# Altium PCB SteeringWheelBoard.PcbDoc (continued)
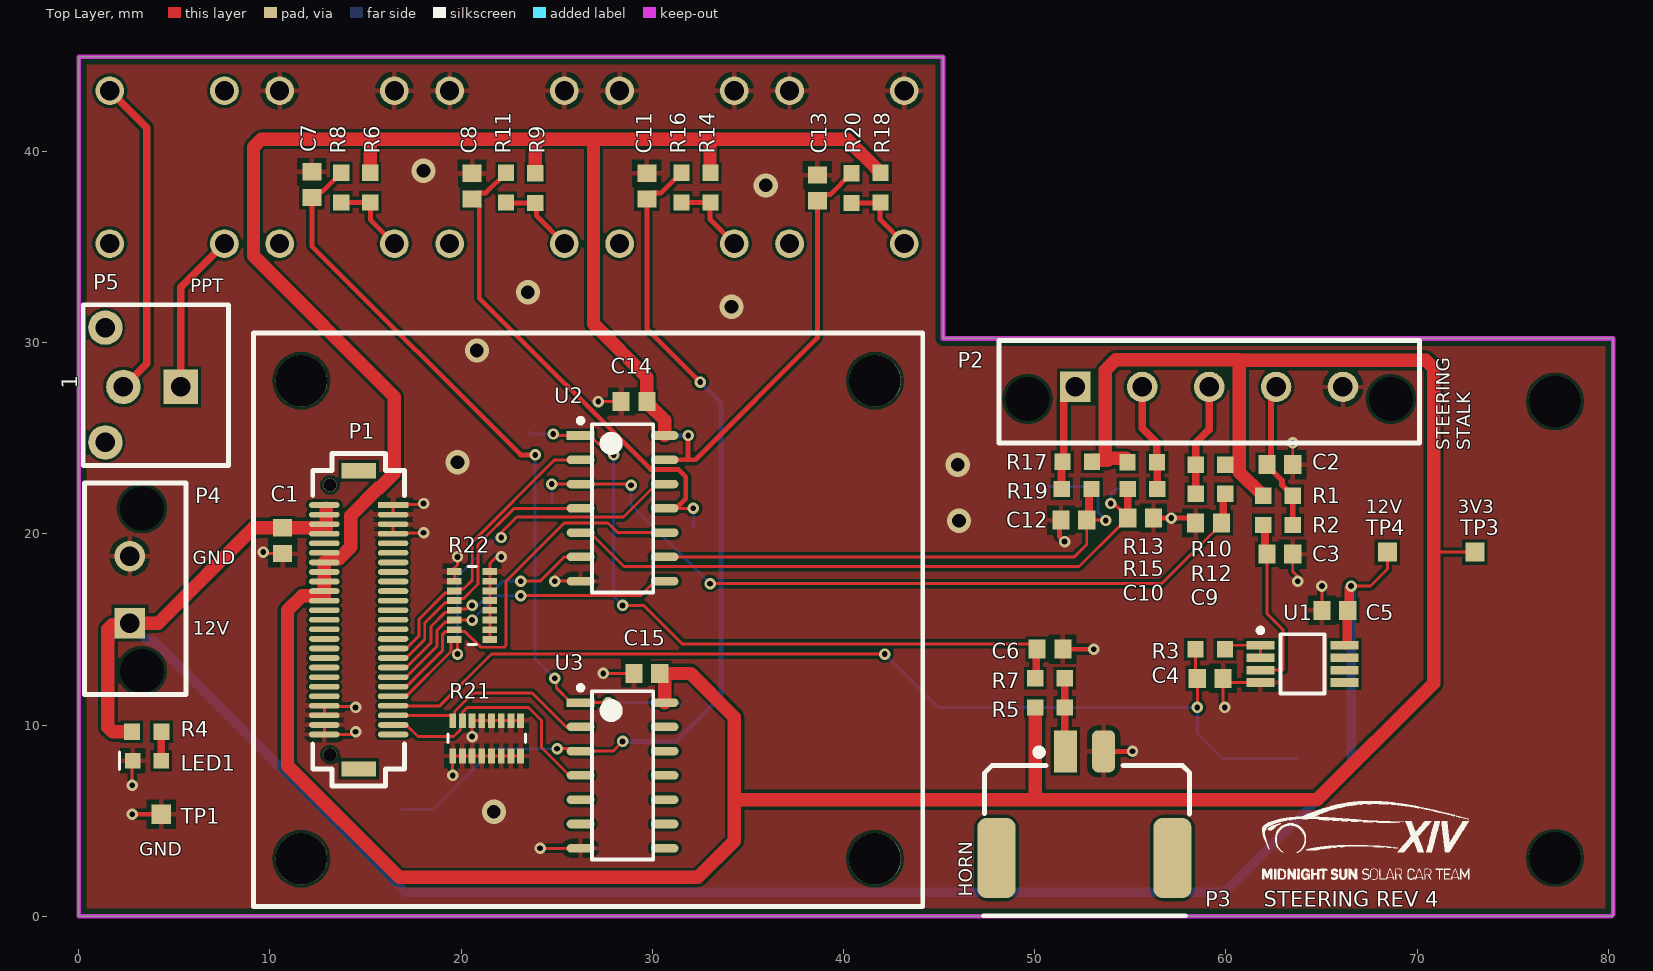
[diagram p0: Top Layer view]
## Part data (continued)
P4: "2 Positions Header, Shrouded Connector 0.138\" (3.50mm) Through Hole Gold", Current Rating=-, Insulation Color=Black, Manufacturer 1="Molex, LLC", Manufacturer Part Number 1=1722861302, Material Flammability Rating="UL94 V-0", Operating Temperature="-40°C ~ 120°C", Supplier Part Number 1=WM11673-ND, Voltage=400V, ComponentLink1Description=http://www.molex.com/pdm_docs/sd/1722861302_sd.pdf, ComponentLink1URL=http://www.molex.com/pdm_docs/sd/1722861302_sd.pdf, Connector Type=Header, Contact Finish - Mating=Gold, Contact Finish - Post=Tin, Contact Finish Thickness - Mating="30µin (0.76µm)", Contact Finish Thickness - Post="60µin (1.52µm)", Contact Length - Mating=-, Contact Length - Post="0.126\" (3.20mm)", Contact Material="Copper Alloy", Contact Shape=Square, Contact Type="Male Pin", Fastening Type="Latch Holder", Ingress Protection=-, Insulation Height="0.465\" (11.80mm)", Insulation Material="Liquid Crystal Polymer (LCP)", Mated Stacking Heights=26.99mm, Mounting Type="Through Hole", Number of Positions=2, Number of Positions Loaded=All, Number of Rows=1, Overall Contact Length=-, Packaging=Tray, Part Status=Active, Pitch - Mating="0.138\" (3.50mm)", Row Spacing - Mating=-, Series=UltraFit, Shrouding="Shrouded - 4 Wall", Style="Board to Board or Cable", Supplier 1=Digi-Key, Termination="Kinked Pin, Solder"
P5: "Connector Header Through Hole 2 position", Contact Resistance=10mR, Current Rating=5A, Housing Colour=Black, Manufacturer=Molex, Manufacturer Part Number=43045-0227, Max Operating Temperature=105°C, Max Voltage Rating (DC)=250.25kV, Min Operating Temperature=-40°C, Package Quantity=3168, Supplier Part Number 1=WM10657-ND, Voltage Rating=600V, ComponentLink1Description=http://www.onlinecomponents.com/productFiles/mf-MOL/307170430450227_pcb_headers.pdf, ComponentLink1URL=http://www.onlinecomponents.com/productFiles/mf-MOL/307170430450227_pcb_headers.pdf, ComponentLink2Description=http://www.mouser.com/ds/2/276/0430450227_PCB_HEADERS-142611.pdf, ComponentLink2URL=http://www.mouser.com/ds/2/276/0430450227_PCB_HEADERS-142611.pdf, ComponentLink3Description=http://uk.rs-online.com/webdocs/13c3/0900766b813c3a46.pdf, ComponentLink3URL=http://uk.rs-online.com/webdocs/13c3/0900766b813c3a46.pdf, ComponentLink4Description=http://www.molex.com/webdocs/datasheets/pdf/en-us/0430450227_PCB_HEADERS.pdf, ComponentLink4URL=http://www.molex.com/webdocs/datasheets/pdf/en-us/0430450227_PCB_HEADERS.pdf, Contact Material=Brass, Contact Plating=Tin, Depth=8.77mm, Gender=Male, Glow Wire Compliant=Compliant, Halogen Free="Low Halogen", Housing Material=Thermoplastic, Length=7.15mm, Mount="Through Hole", Number of Circuits=2, Number of Contacts=2, Number of Ports=1, Number of Positions=2, Number of Rows=2, Number of Terminals=2, Orientation=Vertical, Packaging=Tray, Pitch=3mm, Pricing 1="1=0.84, 10=0.74, 25=0.6968, 50=0.6676, 100=0.6387, 250=0.5806, 500=0.52254, 1000=0.46448, 2500=0.42094 (USD)", Radiation Hardening=No, Row Spacing=3mm, Stock 1=3657, Supplier 1=Digi-Key, Termination=Solder
R1: "1 kOhms ±0.1% 0.1W, 1/10W Chip Resistor 0603 (1608 Metric) Automotive AEC-Q200 Thin Film", Case/Package=0603, Case Code (Metric)=1608, Manufacturer=Panasonic, Manufacturer Part Number=ERA3AEB102V, Max Operating Temperature=155°C, Max Power Dissipation=100mW, Min Operating Temperature=-55°C, Package Quantity=5000, Power Rating=1/10W, Resistance=1k, Supplier Part Number 1=P1.0KDBCT-ND, Temperature Coefficient=25ppm/°C, Tolerance=0.1%, Voltage Rating=75V, Case Code (Imperial)=0603, ComponentLink1Description=Digikey, ComponentLink1URL=https://www.digikey.ca/product-detail/en/panasonic-electronic-components/ERA-3AEB102V/P1.0KDBCT-ND/1466052, ComponentLink2Description=http://www.farnell.com/datasheets/485442.pdf, ComponentLink2URL=http://www.farnell.com/datasheets/485442.pdf, ComponentLink3Description=http://industrial.panasonic.com/www-data/pdf/AOA0000/AOA0000CE26.pdf, ComponentLink3URL=http://industrial.panasonic.com/www-data/pdf/AOA0000/AOA0000CE26.pdf, ComponentLink4Description=http://www.farnell.com/datasheets/2052875.pdf, ComponentLink4URL=http://www.farnell.com/datasheets/2052875.pdf, ComponentLink5Description=http://www.farnell.com/datasheets/1776116.pdf, ComponentLink5URL=http://www.farnell.com/datasheets/1776116.pdf, ComponentLink6Description=http://uk.rs-online.com/webdocs/148c/0900766b8148c4ab.pdf, ComponentLink6URL=http://uk.rs-online.com/webdocs/148c/0900766b8148c4ab.pdf, ComponentLink7Description=http://www.farnell.com/datasheets/2059650.pdf, ComponentLink7URL=http://www.farnell.com/datasheets/2059650.pdf, ComponentLink8Description=http://www.produktinfo.conrad.com/datenblaetter/450000-474999/451250-da-01-en-WIDERSTAND_0603_ERA.pdf, ComponentLink8URL=http://www.produktinfo.conrad.com/datenblaetter/450000-474999/451250-da-01-en-WIDERSTAND_0603_ERA.pdf, ComponentLink9Description=http://uk.rs-online.com/webdocs/148c/0900766b8148c48a.pdf, ComponentLink9URL=http://uk.rs-online.com/webdocs/148c/0900766b8148c48a.pdf, ComponentLink10Description=https://industrial.panasonic.com/cdbs/www-data/pdf/RDM0000/AOA0000C307.pdf, ComponentLink10URL=https://industrial.panasonic.com/cdbs/www-data/pdf/RDM0000/AOA0000C307.pdf, ComponentLink11Description=http://www.alliedelec.com/m/d/b6b0537e86f421aa7f5975bb1d8f429a.pdf, ComponentLink11URL=http://www.alliedelec.com/m/d/b6b0537e86f421aa7f5975bb1d8f429a.pdf, ComponentLink12Description=http://www.produktinfo.conrad.com/datenblaetter/450000-474999/450752-da-01-en-WIDERSTAND_0603_ERA.pdf, ComponentLink12URL=http://www.produktinfo.conrad.com/datenblaetter/450000-474999/450752-da-01-en-WIDERSTAND_0603_ERA.pdf, Composition="Thin Film", Contact Plating=Tin, Depth=0.8mm, Height=0.45mm, Length=1.6mm, Military Standard=Not, Mount="Surface Mount", Number of Pins=2, Number of Terminations=2, Packaging="Tape and Reel", Pricing 1="1 = 0.35000, 10 = 0.30000, 100 = 0.11720, 1000 = 0.04906, 2500 = 0.04498 (USD)", Radiation Hardening=No, REACH SVHC="No SVHC", RoHS=Yes, Stock 1=1293788, Supplier 1=Digi-Key, Termination=SMD/SMT, Width=0.8mm
R2 R7 R8 R11 R12 R15 R16 R19 R20: "15 kOhms ±1% 0.1W, 1/10W Chip Resistor 0603 (1608 Metric) Moisture Resistant Thick Film", Case/Package=0603, Case Code (Metric)=1608, Manufacturer=Yageo, Manufacturer Part Number=RC0603FR-0715KL, Max Operating Temperature=155°C, Max Power Dissipation=1/10W, Min Operating Temperature=-55°C, Package Quantity=1, Power Rating=100mW, Resistance=15k, Supplier Part Number 1=311-15.0KHRCT-ND, Temperature Coefficient=100ppm/°C, Tolerance=1%, Voltage Rating=50V, Case Code (Imperial)=0603, ComponentLink1Description=Digikey, ComponentLink1URL=https://www.digikey.ca/product-detail/en/yageo/RC0603FR-0715KL/311-15.0KHRCT-ND/729900, ComponentLink2Description=http://www.yageo.com/documents/recent/PYu-RC_Group_51_RoHS_L_10.pdf, ComponentLink2URL=http://www.yageo.com/documents/recent/PYu-RC_Group_51_RoHS_L_10.pdf, ComponentLink3Description=http://www.yageo.com/documents/recent/PYu-RC_Group_51_RoHS_L_9.pdf, ComponentLink3URL=http://www.yageo.com/documents/recent/PYu-RC_Group_51_RoHS_L_9.pdf, ComponentLink4Description=https://www.verical.com/server-webapp/html/getDatasheet?partID=327895, ComponentLink4URL=https://www.verical.com/server-webapp/html/getDatasheet?partID=327895, Composition="Thick Film", Depth=0.8mm, Features="Moisture Resistant", Height=0.022inch, Lead Free="Lead Free", Length=1.6mm, Military Standard=Not, Number of Pins=2, Number of Terminations=2, Packaging="Tape and Reel", Pricing 1="1 = 0.10000, 10 = 0.02400, 100 = 0.00970, 1000 = 0.00437, 2500 = 0.00379 (USD)", REACH SVHC=Unknown, RoHS=Yes, Stock 1=8611420, Supplier 1=Digi-Key, Termination=SMD/SMT, Voltage Rating (DC)=50V, Width=0.031inch
R3: "100 Ohm ±1% 0.1W, 1/10W Chip Resistor 0603 (1608 Metric) Moisture Resistant Thick Film", Manufacturer 1=Yageo, Manufacturer Part Number 1=RC0603FR-07100RL, Operating Temperature="-55°C ~ 155°C", Package / Case="0603 (1608 Metric)", Power=1/10W, Resistance=100, Supplier Device Package=0603, Supplier Part Number 1=311-100HRCT-ND, Temperature Coefficient=±100ppm/°C, Tolerance=±1%, ComponentLink1Description=http://www.yageo.com/documents/recent/PYu-RC_Group_51_RoHS_L_7.pdf, ComponentLink1URL=http://www.yageo.com/documents/recent/PYu-RC_Group_51_RoHS_L_7.pdf, Composition="Thick Film", Failure Rate=-, Height - Seated (Max)="0.022\" (0.55mm)", Packaging="Cut Tape (CT)", Part Status=Active, Size / Dimension="0.063\" L x 0.031\" W (1.60mm x 0.80mm)", Supplier 1=Digi-Key
R4: "4.7k Ohm ±1% 0.1W, 1/10W Chip Resistor 0603 (1608 Metric) Moisture Resistant Thick Film", Manufacturer 1=Yageo, Manufacturer Part Number 1=RC0603FR-074K7L, Operating Temperature="-55°C ~ 155°C", Package / Case="0603 (1608 Metric)", Power (Watts)=1/10W, Resistance (Ohms)=4.7k, Supplier Device Package=0603, Supplier Part Number 1=311-4.70KHRCT-ND, Temperature Coefficient=±100ppm/°C, Tolerance=±1%, Category=Resistors, ComponentLink1Description=http://www.yageo.com/documents/recent/PYu-RC_Group_51_RoHS_L_7.pdf, ComponentLink1URL=http://www.yageo.com/documents/recent/PYu-RC_Group_51_RoHS_L_7.pdf, Composition="Thick Film", Description 1="RES SMD 4.7K OHM 1% 1/10W 0603", Failure Rate=-, Features="Moisture Resistant", Height - Seated (Max)="0.022\" (0.55mm)", Packaging="Cut Tape (CT)", Part Status=Active, Pricing 1="1=0.16, 10=0.022, 100=0.0089, 1000=0.00402, 2500=0.00349 (CAD)", RoHS="RoHS Compliant", Size / Dimension="0.063\" L x 0.031\" W (1.60mm x 0.80mm)", Stock 1=3487566, Supplier 1=Digi-Key
R5 R6 R9 R10 R13 R14 R17 R18: "RES SMD 10K OHM 1% 1/10W 0603", Manufacturer 1=Yageo, Manufacturer Part Number 1=RC0603FR-0710KL, Operating Temperature="-55°C ~ 155°C", Package / Case="0603 (1608 Metric)", Power=1/10W, Resistance=10k, Supplier Device Package=0603, Supplier Part Number 1=311-10.0KHRCT-ND, Temperature Coefficient=±100ppm/°C, Tolerance=±1%, ComponentLink1Description=http://www.yageo.com/documents/recent/PYu-RC_Group_51_RoHS_L_7.pdf, ComponentLink1URL=http://www.yageo.com/documents/recent/PYu-RC_Group_51_RoHS_L_7.pdf, Composition="Thick Film", Failure Rate=-, Height - Seated (Max)="0.022\" (0.55mm)", Packaging="Cut Tape (CT)", Part Status=Active, Size / Dimension="0.063\" L x 0.031\" W (1.60mm x 0.80mm)", Supplier 1=Digi-Key
R21 R22: library part "RES ARRAY 10K OHM 5% 8RES EXB-2HV103JV", "RES ARRAY SMD 10K 5% 62.5mW 1506", Manufacturer="Panasonic Electronic Components", Manufacturer_Part_Number=EXB-2HV103JV, Operating Temperature="-55°C ~ 125°C", Package / Case="1506, Convex, Long Side Terminals", Power Per Element=62.5mW, Resistance (Ohms)=10k, Supplier Device Package=1506, Supplier Part Number 1=Y1103CT-ND, Temperature Coefficient=±200ppm/°C, Tolerance=±5%, Applications="Automotive AEC-Q200", C="Copyright (C) 2015 Accelerated Designs. All rights reserved", Category=Resistors, Circuit Type=Isolated, ComponentLink1Description=https://industrial.panasonic.com/cdbs/www-data/pdf/AOC0000/AOC0000C14.pdf, ComponentLink1URL=https://industrial.panasonic.com/cdbs/www-data/pdf/AOC0000/AOC0000C14.pdf, Copyright="Copyright (C) 2015 Accelerated Designs. All rights reserved", Height - Seated (Max)="0.022\" (0.55mm)", Manufacturer Part Number=EXB-2HV103JV, Mounting Type="Surface Mount", Packaging="Cut Tape (CT)", Part Status=Active, Pricing 1="1=0.43, 10=0.373, 25=0.2712, 50=0.1964, 100=0.1456, 250=0.11176, 500=0.08806, 1000=0.06096 (CAD)", RoHS="RoHS Compliant", Size / Dimension="0.150\" L x 0.063\" W (3.80mm x 1.60mm)", Stock 1=152779, Supplier 1=Digi-Key, Vendor=Panasonic
S1 S2 S3 S4 S5: library part "SW PUSH SPST-NO 0.1A 14V", "Pushbutton Switch SPST-NO Standard Through Hole", Contact Current Rating=100mA, Manufacturer=Panasonic, Manufacturer Part Number=ESE20C321, Max Operating Temperature=80°C, Max Voltage Rating (DC)=14V, Min Operating Temperature=-30°C, Operating Force=4N, Package Quantity=1200, Supplier Part Number 1=P11161S-ND, Actuator Type="Square, Button", ComponentLink1Description=Digikey, ComponentLink1URL=https://www.digikey.ca/product-detail/en/panasonic-electronic-components/ESE-20C321/P11161S-ND/354749, ComponentLink2Description=https://datasheet.ciiva.com/46399/1790644-46399477.pdf?src-supplier=Element14, ComponentLink2URL=https://datasheet.ciiva.com/46399/1790644-46399477.pdf?src-supplier=Element14, ComponentLink3Description=https://datasheet.ciiva.com/16437/atu0000ce7-16437878.pdf?src-supplier=Future+Electronics, ComponentLink3URL=https://datasheet.ciiva.com/16437/atu0000ce7-16437878.pdf?src-supplier=Future+Electronics, ComponentLink4Description=https://datasheet.ciiva.com/8663/atu0000ce7-8663607.pdf?src-supplier=Avnet, ComponentLink4URL=https://datasheet.ciiva.com/8663/atu0000ce7-8663607.pdf?src-supplier=Avnet, ComponentLink5Description=https://datasheet.ciiva.com/2869/atu0000ce7-2869467.pdf?src-supplier=Digi-Key, ComponentLink5URL=https://datasheet.ciiva.com/2869/atu0000ce7-2869467.pdf?src-supplier=Digi-Key, Current Rating=100mA, Lead Free="Lead Free", Mount="Through Hole", Orientation=Straight, Packaging=Bulk, Pricing 1="1 = 1.17000, 10 = 1.09200, 25 = 1.04040, 50 = 0.98820, 100 = 0.96220, 250 = 0.93620, 500 = 0.88418, 1000 = 0.83216, 5000 = 0.70214 (USD)", Radiation Hardening=No, REACH SVHC="No SVHC", RoHS=Yes, Stock 1=1919, Supplier 1=Digi-Key, Switch Function=Off-Mom, Termination="PC Pin", Throw Configuration=SPST, Voltage Rating (DC)=14V
U1: "General Purpose Amplifier 2 Circuit Rail-to-Rail 8-VSSOP", Case/Package=VSSOP, Input Bias Current=5pA, Input Offset Voltage (Vos)=250uV, Manufacturer="Texas Instruments", Manufacturer Part Number=OPA2197IDGKR, Max Operating Temperature=125°C, Min Operating Temperature=-40°C, Operating Supply Current=1mA, Output Current per Channel=65mA, Supplier Part Number 1=296-47349-1-ND, ComponentLink1Description=http://www.ti.com/lit/ds/symlink/opa2197.pdf, ComponentLink1URL=http://www.ti.com/lit/ds/symlink/opa2197.pdf, Gain Bandwidth Product=10MHz, Lead Free="Lead Free", Mount="Surface Mount", Number of Channels=2, Number of Circuits=2, Packaging="Tape and Reel", Pricing 1="1=2.41, 10=2.162, 100=1.7376, 500=1.4276, 1000=1.1829 (USD)", Slew Rate=20V/µs, Stock 1=2171, Supplier 1=Digi-Key
U2 U3: library part "IC INVERTER SCHMITT 6CH 14TSSOP", "Inverter IC 6 Channel Schmitt Trigger 14-SOIC", Case/Package=SO, High Level Output Current=-5.2mA, Low Level Output Current=5.2mA, Manufacturer=STMicroelectronics, Manufacturer Part Number=M74HC14YRM13TR, Max Operating Temperature=125°C, Max Supply Voltage=6V, Min Operating Temperature=-40°C, Min Supply Voltage=2V, Package Quantity=2500, Quiescent Current=1uA, Supplier Part Number 1=497-14386-1-ND, ComponentLink1Description=Digikey, ComponentLink1URL=https://www.digikey.ca/product-detail/en/stmicroelectronics/M74HC14YTTR/497-14387-1-ND/4725844, ComponentLink2Description=http://www.st.com/content/ccc/resource/technical/document/datasheet/19/a3/52/42/dd/ab/4b/46/CD00000263.pdf/files/CD00000263.pdf/jcr:content/translations/en.CD00000263.pdf, ComponentLink2URL=http://www.st.com/content/ccc/resource/technical/document/datasheet/19/a3/52/42/dd/ab/4b/46/CD00000263.pdf/files/CD00000263.pdf/jcr:content/translations/en.CD00000263.pdf, ComponentLink3Description=http://www.st.com/st-web-ui/static/active/en/resource/technical/document/datasheet/CD00000263.pdf, ComponentLink3URL=http://www.st.com/st-web-ui/static/active/en/resource/technical/document/datasheet/CD00000263.pdf, ComponentLink4Description=http://www.st.com/content/ccc/resource/technical/document/datasheet/19/a3/52/42/dd/ab/4b/46/CD00000263.pdf/files/CD00000263.pdf/jcr:content/translations/en.CD00000263.pdf?src-supplier=Digi-Key, ComponentLink4URL=http://www.st.com/content/ccc/resource/technical/document/datasheet/19/a3/52/42/dd/ab/4b/46/CD00000263.pdf/files/CD00000263.pdf/jcr:content/translations/en.CD00000263.pdf?src-supplier=Digi-Key, ComponentLink5Description=http://www.st.com/st-web-ui/static/active/en/resource/technical/document/datasheet/CD00000263.pdf?src-supplier=Avnet, ComponentLink5URL=http://www.st.com/st-web-ui/static/active/en/resource/technical/document/datasheet/CD00000263.pdf?src-supplier=Avnet, Logic Function=Inverter, Mount="Surface Mount", Number of Circuits=6, Number of Elements=6, Number of Inputs=6, Number of Pins=14, Packaging="Tape and Reel", Pricing 1="1 = 0.48000, 10 = 0.41300, 100 = 0.30860, 500 = 0.24246, 1000 = 0.18736 (USD)", Propagation Delay=21ns, RoHS=Yes, Stock 1=28888, Supplier 1=Digi-Key, Turn-On Delay Time=190ns, Weight=0.009143oz

## Free pads (board coordinates)
  round 2.7 hole 2.7: ""(11.644,3.008) ""(11.644,28.008) ""(41.644,3.008) ""(41.644,28.008) ""(77.216,3.048) ""(77.216,26.924)

## Via types
v1: diameter 0.6, hole 0.3, Top Layer to Bottom Layer, tented both sides, 48 vias
v2: diameter 1.27, hole 0.711, Top Layer to Bottom Layer, tented both sides, 9 vias

## Nets (pads, with @x,y where several pads share a name; then routed paths per layer and width w, separated by ;. In a path a pad name is that pad's centre, name@x,y a point inside that pad or via, vN(x,y) a via of type N, cw(c..) or ccw(c..) an arc to the next point about the centre after c; other vN are vias at no path point)
3V3: C14.1 C15.1 P1.40 P1.41 P1.42 P1.43 P1.44 P1.45 R1.1 R5.1 R6.1 R9.1 R10.1 R13.1 R14.1 R17.1 R18.1 TP3.TP U2.14 U3.14 | length 229
  Top Layer w0.154: 70.866,19.05 TP3.TP
  Top Layer w0.7: R6.1 15.24,38.9 15.24,40.64 ; R9.1 23.876,40.386 24.13,40.64 ; U3.14 30.648,12.445 C15.1 30.648,12.7 32.004,12.7 34.29,10.414 34.29,6.096 34.29,5.842 ; U2.14 30.648,25.944 29.718,26.874 C14.1 29.718,28.194 26.924,30.988 26.924,40.64 ; R14.1 33.02,38.916 33.02,40.64 ; R18.1 41.341,39.485 41.341,39.495 40.926,39.91 40.916,39.91 40.186,40.64 33.02,40.64 ; R5.1 50.038,10.909 50.038,6.096 ; R17.1 53.079,23.843 53.702,23.843 53.821,23.843 53.929,23.951 ; R13.1@54.81,23.822 54.81,23.93 54.789,23.951 53.929,23.951 ; 60.706,29.083 70.456,29.083 70.866,28.673 70.866,19.05 70.866,12.192 64.77,6.096 50.038,6.096 ; R1.1 60.706,23.234 60.706,29.102 54.248,29.102 53.702,28.556 53.702,24.178 53.929,23.951 ; 15.24,40.64 23.876,40.64 24.13,40.64 ; 15.24,40.64 9.554,40.64 9.144,40.23 9.144,34.544 16.51,27.178 16.51,23.163 15.752,22.406 15.681,22.406 14.224,20.948 14.224,19.315 13.617,18.708 13.044,18.708 P1.44 P1.43 P1.42 P1.41 12.844,16.764 11.684,16.764 10.922,16.002 10.922,7.874 16.764,2.032 32.385,2.032 34.29,3.937 34.29,5.842 ; 24.13,40.64 26.924,40.64 ; 26.924,40.64 33.02,40.64 ; 34.29,5.842 34.544,6.096 50.038,6.096
+12V: C1.1 C5.1 P1.47 P1.48 P1.49 P1.50 P4.1 R4.1 TP4.TP U1.8 | length 109.4
  Top Layer w0.154: v1(66.548,17.272) 67.564,17.272 68.453,18.161 TP4.TP
  Top Layer w0.5: U1.8 66.356,14.323 66.356,15.895 66.463,16.002 66.463,17.187 v1(66.548,17.272)
  Top Layer w0.7: R4.1@2.794,9.627 2.78,9.641 1.769,9.641 1.524,9.886 1.524,15.006 1.758,15.24 2.576,15.24 P4.1 4.16,15.336 9.144,20.32 C1.1 12.954,20.32 12.954,21.336
  Bottom Layer w0.5: P4.1 3.62,14.388 3.945,14.388 17.078,1.256 59.93,1.256 66.548,7.874 v1(66.548,17.272)
CC_DISTANCE: 
CC_ON/O\F\F\: 
CC_SET: 
CC_SPEED: 
FILTERED_CC_DECREASE_SPEED: C11.1 R16.1 TP10.TP U3.3 | length 49.3
  Top Layer w0.154: v1(25.019,8.763) 25.029,8.773 26.035,8.773 26.172,8.636 U3.3 27.94,8.636 v1(28.448,9.144)
  Top Layer w0.254: R16.1 30.471,37.835 30.041,37.835 C11.1 29.718,30.734 v1(32.512,27.94)
  Bottom Layer w0.154: 16.891,5.588 18.529,5.588 21.704,8.763 v1(25.019,8.763)
  Bottom Layer w0.254: v1(28.448,9.144) 31.242,9.144 33.599,11.501 33.599,26.853 v1(32.512,27.94)
FILTERED_CC_INCREASE_SPEED: C7.1 R8.1 TP6.TP U3.1 | length 40.1
  Top Layer w0.154: v1(24.892,12.446) 24.977,12.361 24.977,11.947 25.748,11.176 U3.1 v1@27.432,11.176
  Top Layer w0.254: R8.1 12.755,37.915 12.515,37.915 C7.1 12.192,35.052 23.114,24.13 v1(23.876,24.13)
  Bottom Layer w0.154: v1(23.876,24.13) 23.876,13.462 v1(24.892,12.446) ; v1(27.686,11.176) 31.369,11.176 TP6.TP
FILTERED_CC_ON/O\F\F\: C8.1 R11.1 TP7.TP U2.11 | length 26.8
  Top Layer w0.154: U2.11 31.242,21.336 v1(32.148,21.336)
  Top Layer w0.254: R11.1 21.299,37.835 20.897,37.835 C8.1 20.624,37.512 20.947,37.189 20.947,32.336 29.911,23.372 31.357,23.372 31.75,22.979 31.75,21.844 U2.11@31.242,21.336
  Bottom Layer w0.154: TP7.TP v1(32.148,21.336)
FILTERED_HIGH_BEAM_BACK: C9.1 R12.1 TP8.TP U2.3 | length 41.6
  Top Layer w0.154: v1@24.892,22.606 U2.3 28.829,22.606 v1(28.892,22.543) ; v1(33.02,17.399) 56.645,17.399 59.77,20.524 C9.1
  Top Layer w0.4: C9.1 59.87,20.674 59.87,21.998 R12.1
  Bottom Layer w0.154: TP8.TP v1(24.748,22.606) ; v1(28.892,22.543) 28.892,21.527 v1(33.02,17.399)
FILTERED_HIGH_BEAM_FWD: C10.1 R15.1 TP9.TP U2.5 | length 34.9
  Top Layer w0.154: U2.5 26.748,20.066 28.526,18.288 52.324,18.288 54.441,20.405 54.491,20.405 54.864,20.778 C10.1 54.864,20.878 54.24,21.502 53.887,21.502 v1@53.848,21.463
  Top Layer w0.4: C10.1@54.864,20.878 R15.1
  Bottom Layer w0.154: v1(53.975,21.59) 53.998,21.613 53.998,22.121 54.229,22.352 54.864,22.352 TP9.TP
FILTERED_HORN: C6.1 R7.1 TP5.TP U2.1 | length 37
  Top Layer w0.154: v1@25.02,25.156 25.025,25.151 26.743,25.151 27.764,24.13 v1(27.979,24.13) ; v1(28.448,16.256) 29.554,16.256 31.565,14.245 49.85,14.245 C6.1
  Top Layer w0.4: R7.1 50.075,12.496 50.075,13.92 C6.1
  Bottom Layer w0.154: TP5.TP 23.671,25.224 v1(24.825,25.224) ; v1(27.979,24.13) 27.979,16.725 v1(28.448,16.256)
FILTERED_LANE_ASSIST: C12.1 R19.1 TP11.TP U2.9 | length 32.1
  Top Layer w0.154: U2.9 52.07,18.796 52.724,19.45 C12.1 53.702,20.72 v1(53.721,20.701)
  Top Layer w0.4: C12.1 52.838,20.834 52.838,22.237 R19.1@52.953,22.352
  Bottom Layer w0.154: TP11.TP 52.87,22.479 53.319,22.03 53.319,21.103 v1(53.721,20.701)
FILTERED_REGEN_BRAKE_TOGGLE: C13.1 R20.1 TP12.TP U2.13 | length 22.5
  Top Layer w0.254: U2.13 31.877,23.876 ; v1(31.877,25.146) 31.877,23.876 ; R20.1 39.3,37.748 38.959,37.748 C13.1 38.636,30.254 32.258,23.876 31.877,23.876
  Bottom Layer w0.254: TP12.TP v1(31.877,25.146)
GND: C1.2 C2.2 C3.2 C4.2 C5.2 C6.2 C7.2 C8.2 C9.2 C10.2 C11.2 C12.2 C13.2 C14.2 C15.2 LED1.2 P1.1 P1.2 P1.3 P1.4 P1.26 P1.27 P1.28 P1.29 P2.5 P3.2 P4.2 R21.1 R21.2 R21.3 R21.4 R21.5 R21.6 R21.7 R21.8 R21.9 R21.10 R21.11 R21.12 R21.13 R21.14 R22.1 R22.2 R22.3 R22.4 R22.5 R22.6 R22.7 R22.8 R22.9 R22.10 S2.1 S3.1 S4.1 S5.1 TP1.TP U1.4 U2.7 U3.7 | length 46.5
  Top Layer w0.154: v1(2.794,6.858) 2.794,8.104 LED1.2 ; v1(9.652,19.05) 9.732,18.97 C1.2 ; P1.27 P1.26 14.213,9.508 14.357,9.652 v1(14.478,9.652) ; P1.28 P1.29 12.872,10.98 14.42,10.98 v1(14.478,10.922) ; P1.3 P1.4 16.472,20.036 18.004,20.036 v1(18.034,20.066) ; P1.2 P1.1 16.485,21.549 17.993,21.549 v1(18.034,21.59) ; v1(19.558,7.366) R21.1 R21.2 R21.3 R21.4 R21.5 R21.6 R21.7 R21.8 ; R22.10 R22.9 19.558,18.123 19.812,18.377 v1(19.812,18.796) ; v1(20.574,9.398) R21.14 R21.13 R21.12 R21.11 R21.10 R21.9 ; R22.1 R22.2 R22.3 R22.4 R22.5 R22.6 R22.7 R22.8 21.501,18.453 21.844,18.796 v1(22.098,18.796) ; v1(24.13,3.556) U3.7 ; v1(24.892,17.526) U2.7 ; v1(27.178,26.924) C14.2 ; v1(27.432,12.7) C15.2@28.622,12.7 ; v1(59.944,10.922) 59.857,11.009 C4.2 60.078,12.225 U1.4 ; C3.2 63.5,18.034 63.754,17.78 v1(63.754,17.526) ; C2.2 v1(63.5,24.756) ; C5.2 v1(65.024,17.272)
  Top Layer w0.254: v1(2.794,5.334) TP1.TP@4.064,5.334 ; C12.2 51.293,20.802 51.293,19.865 v1(51.562,19.596) ; C6.2 v1(53.086,13.97) ; P3.2 53.6,8.622 54.932,8.622 v1@55.018,8.536 ; C10.2 v1(57.15,20.828) 58.166,20.828 C9.2
  other v1: 55.118,8.636
  other v2: 21.717,5.461 46.04,20.688 45.974,23.622 19.812,23.749 20.828,29.591 34.145,31.876 23.495,32.639 35.941,38.227 18.034,38.989
HIGH_BEAM_BACK: P2.3 R10.2 R12.2 | length 5.9
  Top Layer w0.4: R12.2 R10.2 58.42,24.756 59.126,25.462 P2.3
HIGH_BEAM_FWD: P2.2 R13.2 R15.2 | length 5.7
  Top Layer w0.4: P2.2 55.626,25.518 56.388,24.756 56.388,23.902 56.414,23.876 R15.2
HORN: P3.1 R5.2 R7.2 | length 3.8
  Top Layer w0.4: R7.2 R5.2 51.575,8.659 P3.1
LANE_ASSIST: P2.1 R17.2 R19.2 | length 5.6
  Top Layer w0.4: R19.2@51.403,22.352 51.403,23.717 R17.2 51.526,23.84 51.526,27.086 P2.1
NetC3_1: C3.1 R2.1 U1.3 | length 9.2
  Top Layer w0.154: U1.3 62.992,12.875 62.992,14.986 62.15,15.828 C3.1
  Top Layer w0.4: R2.1@62.05,20.466 62.05,19.042 C3.1
NetLED1_1: LED1.1 R4.2 | length 1.6
  Top Layer w0.4: LED1.1 4.318,9.639 R4.2 R4.2@4.356,9.677
NetP5_1: P5.1 S1.2 | length 8.4
  Top Layer w0.4: P5.1 5.334,32.894 S1.2@7.62,35.18
NetP5_2: P5.2 S1.1 | length 16.8
  Top Layer w0.4: S1.1@1.62,43.18 3.556,41.244 3.556,28.908 P5.2
NetR3_2: R3.2 U1.1 U1.2 | length 2.6
  Top Layer w0.154: R3.2 60.162,14.175 U1.1 U1.2
NetR6_2: R6.2 R8.2 S2.2 | length 4.2
  Top Layer w0.254: R8.2 R6.2 15.252,36.438 S2.2@16.51,35.18
NetR9_2: R9.2 R11.2 S3.2 | length 4.3
  Top Layer w0.254: R11.2 22.378,37.312 R9.2 23.943,37.245 23.943,36.637 S3.2@25.4,35.18
NetR14_2: R14.2 R16.2 S4.2 | length 4.2
  Top Layer w0.254: R16.2 R14.2 33.02,37.31 33.02,36.45 S4.2@34.29,35.18
NetR18_2: R18.2 R20.2 S5.2 | length 4.2
  Top Layer w0.254: R20.2 R18.2@41.912,37.312 ; R18.2 R18.2@41.912,37.312 ; S5.2@43.18,35.18 41.91,36.45 41.91,37.31 R18.2@41.912,37.312
PA0_AN0: P1.25
PA1_CC_DECREASE_SPEED: P1.24 R21.15 U3.4 | length 13.2
  Top Layer w0.154: P1.24 17.131,10.008 17.741,9.398 19.603,9.398 19.965,9.76 19.965,10.135 R21.15 20.066,10.668 20.32,10.922 23.532,10.922 24.21,10.244 24.21,8.823 25.667,7.366 U3.4@25.994,7.366
PA2_CC_INCREASE_SPEED: P1.23 R21.16 U3.2 | length 11.3
  Top Layer w0.154: P1.23 19.457,10.508 19.558,10.407 R21.16 19.659,10.337 19.659,10.712 20.631,11.684 23.716,11.684 25.494,9.906 U3.2@25.994,9.906
PA3_AN3_TURN_SIGNAL_STALK: C4.1 P1.22 R3.1 TP2.TP | length 54.6
  Top Layer w0.154: P1.22 18.882,11.008 21.59,13.716 v1(42.164,13.716) ; R3.1 58.407,12.546 C4.1 v1(58.507,10.922)
  Bottom Layer w0.154: v1(42.164,13.716) 44.958,10.922 v1(58.507,10.922) 58.507,9.565 59.817,8.255 63.754,8.255
PA4_REGEN_BRAKE_TOGGLE: P1.21 R22.16 U2.12 | length 22.3
  Top Layer w0.154: P1.21 17.131,11.508 19.477,13.855 19.477,14.478 R22.16 19.711,14.478 19.812,14.377 v1(19.812,13.716) ; v1(22.098,19.812) 22.098,20.066 22.912,20.88 28.5,20.88 U2.12@30.226,22.606
  Bottom Layer w0.154: v1(19.812,13.716) 19.812,17.767 21.857,19.812 v1(22.098,19.812)
PA5_CC_ON/O\F\F\: P1.20 R22.15 U2.10 | length 21.2
  Top Layer w0.154: P1.20 17.131,12.008 19.036,13.914 19.036,14.751 19.171,14.885 19.546,14.885 R22.15 19.748,14.885 20.211,14.885 21.025,14.071 22.262,14.071 22.352,14.161 22.352,17.526 25.4,20.574 27.686,20.574 28.194,20.066 U2.10
PA6_LANE_ASSIST: P1.19 R22.14 U2.8 | length 16.8
  Top Layer w0.154: P1.19 17.131,12.508 18.73,14.108 18.73,14.952 19.171,15.393 19.546,15.393 R22.14 v1(20.574,15.494) ; v1(23.114,16.764) 23.135,16.785 29.407,16.785 30.148,17.526 U2.8
  Bottom Layer w0.154: v1(20.574,15.494) 21.844,16.764 v1(23.114,16.764)
PA7_HIGH_BEAM_FWD: P1.18 R22.13 U2.6 | length 12.7
  Top Layer w0.154: P1.18 17.131,13.008 18.424,14.301 18.424,15.154 19.171,15.901 19.546,15.901 R22.13 19.706,16.062 20.259,16.062 20.453,16.256 v1(20.574,16.256) ; v1(23.114,17.526) 24.13,17.526 25.4,18.796 U2.6
  Bottom Layer w0.154: v1(20.574,16.256) 20.903,16.256 22.173,17.526 v1(23.114,17.526)
PA8: P1.7
PA9: P1.6
PA10: P1.5
PA15/LED_RED: P1.39
PB0_HIGH_BEAM_BACK: P1.17 R22.12 U2.4 | length 14.8
  Top Layer w0.154: P1.17 17.131,13.508 18.098,14.476 18.098,15.337 19.171,16.409 19.546,16.409 R22.12 19.748,16.611 20.123,16.611 20.891,17.379 20.891,19.441 22.785,21.336 U2.4
PB1_HORN: P1.16 R22.11 U2.2 | length 15.6
  Top Layer w0.154: P1.16 17.131,14.008 17.792,14.669 17.792,15.538 19.171,16.917 19.546,16.917 R22.11 19.748,17.119 20.123,17.119 20.584,17.58 20.584,19.568 24.892,23.876 U2.2
PB2: P1.15
PB3/LED_GREEN: P1.38
PB4/LED_BLUE: P1.37
PB5/LED_BLUE: P1.36
PB6/USART1_TX: P1.34
PB7/USART1_RX: P1.33
PB8/I2C1_SCL: P1.32
PB9/I2C1_SDA: P1.31
PB10/USART3_TX/I2C2_SCL: P1.14
PB11/USART3_RX/I2C2_SDA: P1.13
PB12/SPI2_NSS: P1.11
PB13/SPI2_SCK: P1.10
PB14/SPI2_MISO: P1.9
PB15/SPI2_MOSI: P1.8
PC13: P1.30
TURN_SIGNAL_STALK: C2.1 P2.4 R1.2 R2.2 | length 8
  Top Layer w0.3: P2.4 62.626,27.334 62.357,27.065 62.357,23.829 C2.1 62.15,23.572 62.934,22.788 62.934,22.556 R1.2 R2.2
pads on no net: P1. P1.12 P1.35 P1.46 P2. P3.3 P4. P5.0 U1.5 U1.6 U1.7 U3.5 U3.6 U3.8 U3.9 U3.10 U3.11 U3.12 U3.13

## Polygon pours and split planes (outlines as drawn)
no net on Bottom Overlay (solid): 0,44.958
no net on Bottom Overlay (solid): 76.962,21.336
GND on Top Layer "Top Layer-GND" (solid, pour order 2): 0,0 80.264,0 80.264,30.226 45.212,30.226 45.212,44.958 0,44.958
GND on Bottom Layer "Bottom Layer-GND" (solid, pour order 0): 0,0 80.264,0 80.264,30.226 45.212,30.226 45.212,44.958 0,44.958

## Keep-outs
Keep-Out Layer:
  lines w0.254: 0,0 80.168,0 80.264,0.096 80.264,30.226 45.212,30.226 45.212,44.958 0,44.958 0,0

## Silkscreen, mask and mechanical layers (free items; w line width, h text height)
Top Overlay:
  drawing of 36 lines, arcs and shapes, not listed
  text "PPT" at 5.842,32.639 h0.7
  text "STEERING / STALK" at 72.771,24.384 h0.7 r90
  text "12V" at 67.31,21.082 h0.7
  text "3V3" at 72.136,21.082 h0.7
  text "GND" at 5.969,18.415 h0.7
  text "12V" at 5.969,14.732 h0.7
  text "GND" at 3.175,3.175 h0.7
  text "HORN" at 46.736,1.016 h0.7 r90
  text "STEERING REV 4" at 61.976,0.508 h0.8
Bottom Overlay:
  drawing of 479 lines, arcs and shapes, not listed
  text "PPT" at 6.35,33.147 h0.7
  text "CC INCR" at 15.367,33.147 h0.7
  text "CC DECR" at 33.147,33.147 h0.7
  text "REGEN" at 42.037,33.147 h0.7
  text "CC ON/OFF" at 24.13,32.004 h0.7
  text "HORN" at 24.384,27.432 h0.7
  text "REGEN" at 31.75,27.051 h0.7
  text "LANE" at 50.038,24.638 h0.7
  text "HIGHBF" at 55.753,24.511 h0.7
  text "HIGHBB" at 23.876,22.225 h0.7
  text "CC ON/OFF" at 32.639,17.145 h0.7
  text "CC INCR" at 32.258,13.081 h0.7
  text "TURN" at 65.024,10.414 h0.7
  text "CC DECR" at 18.161,7.747 h0.7